# Altium PCB Flow_Pump.PcbDoc (part 3 of 5)
Units mm, origin at the board's own origin, x right, y up, seen from the top; angles counter-clockwise.
Board outline 203 x 203 mm, 2 copper layers (Top Layer, Bottom Layer); 257 components, 182 nets, 857 pads, 2320 vias.
Unrouted connection lines stored in the file: 1.
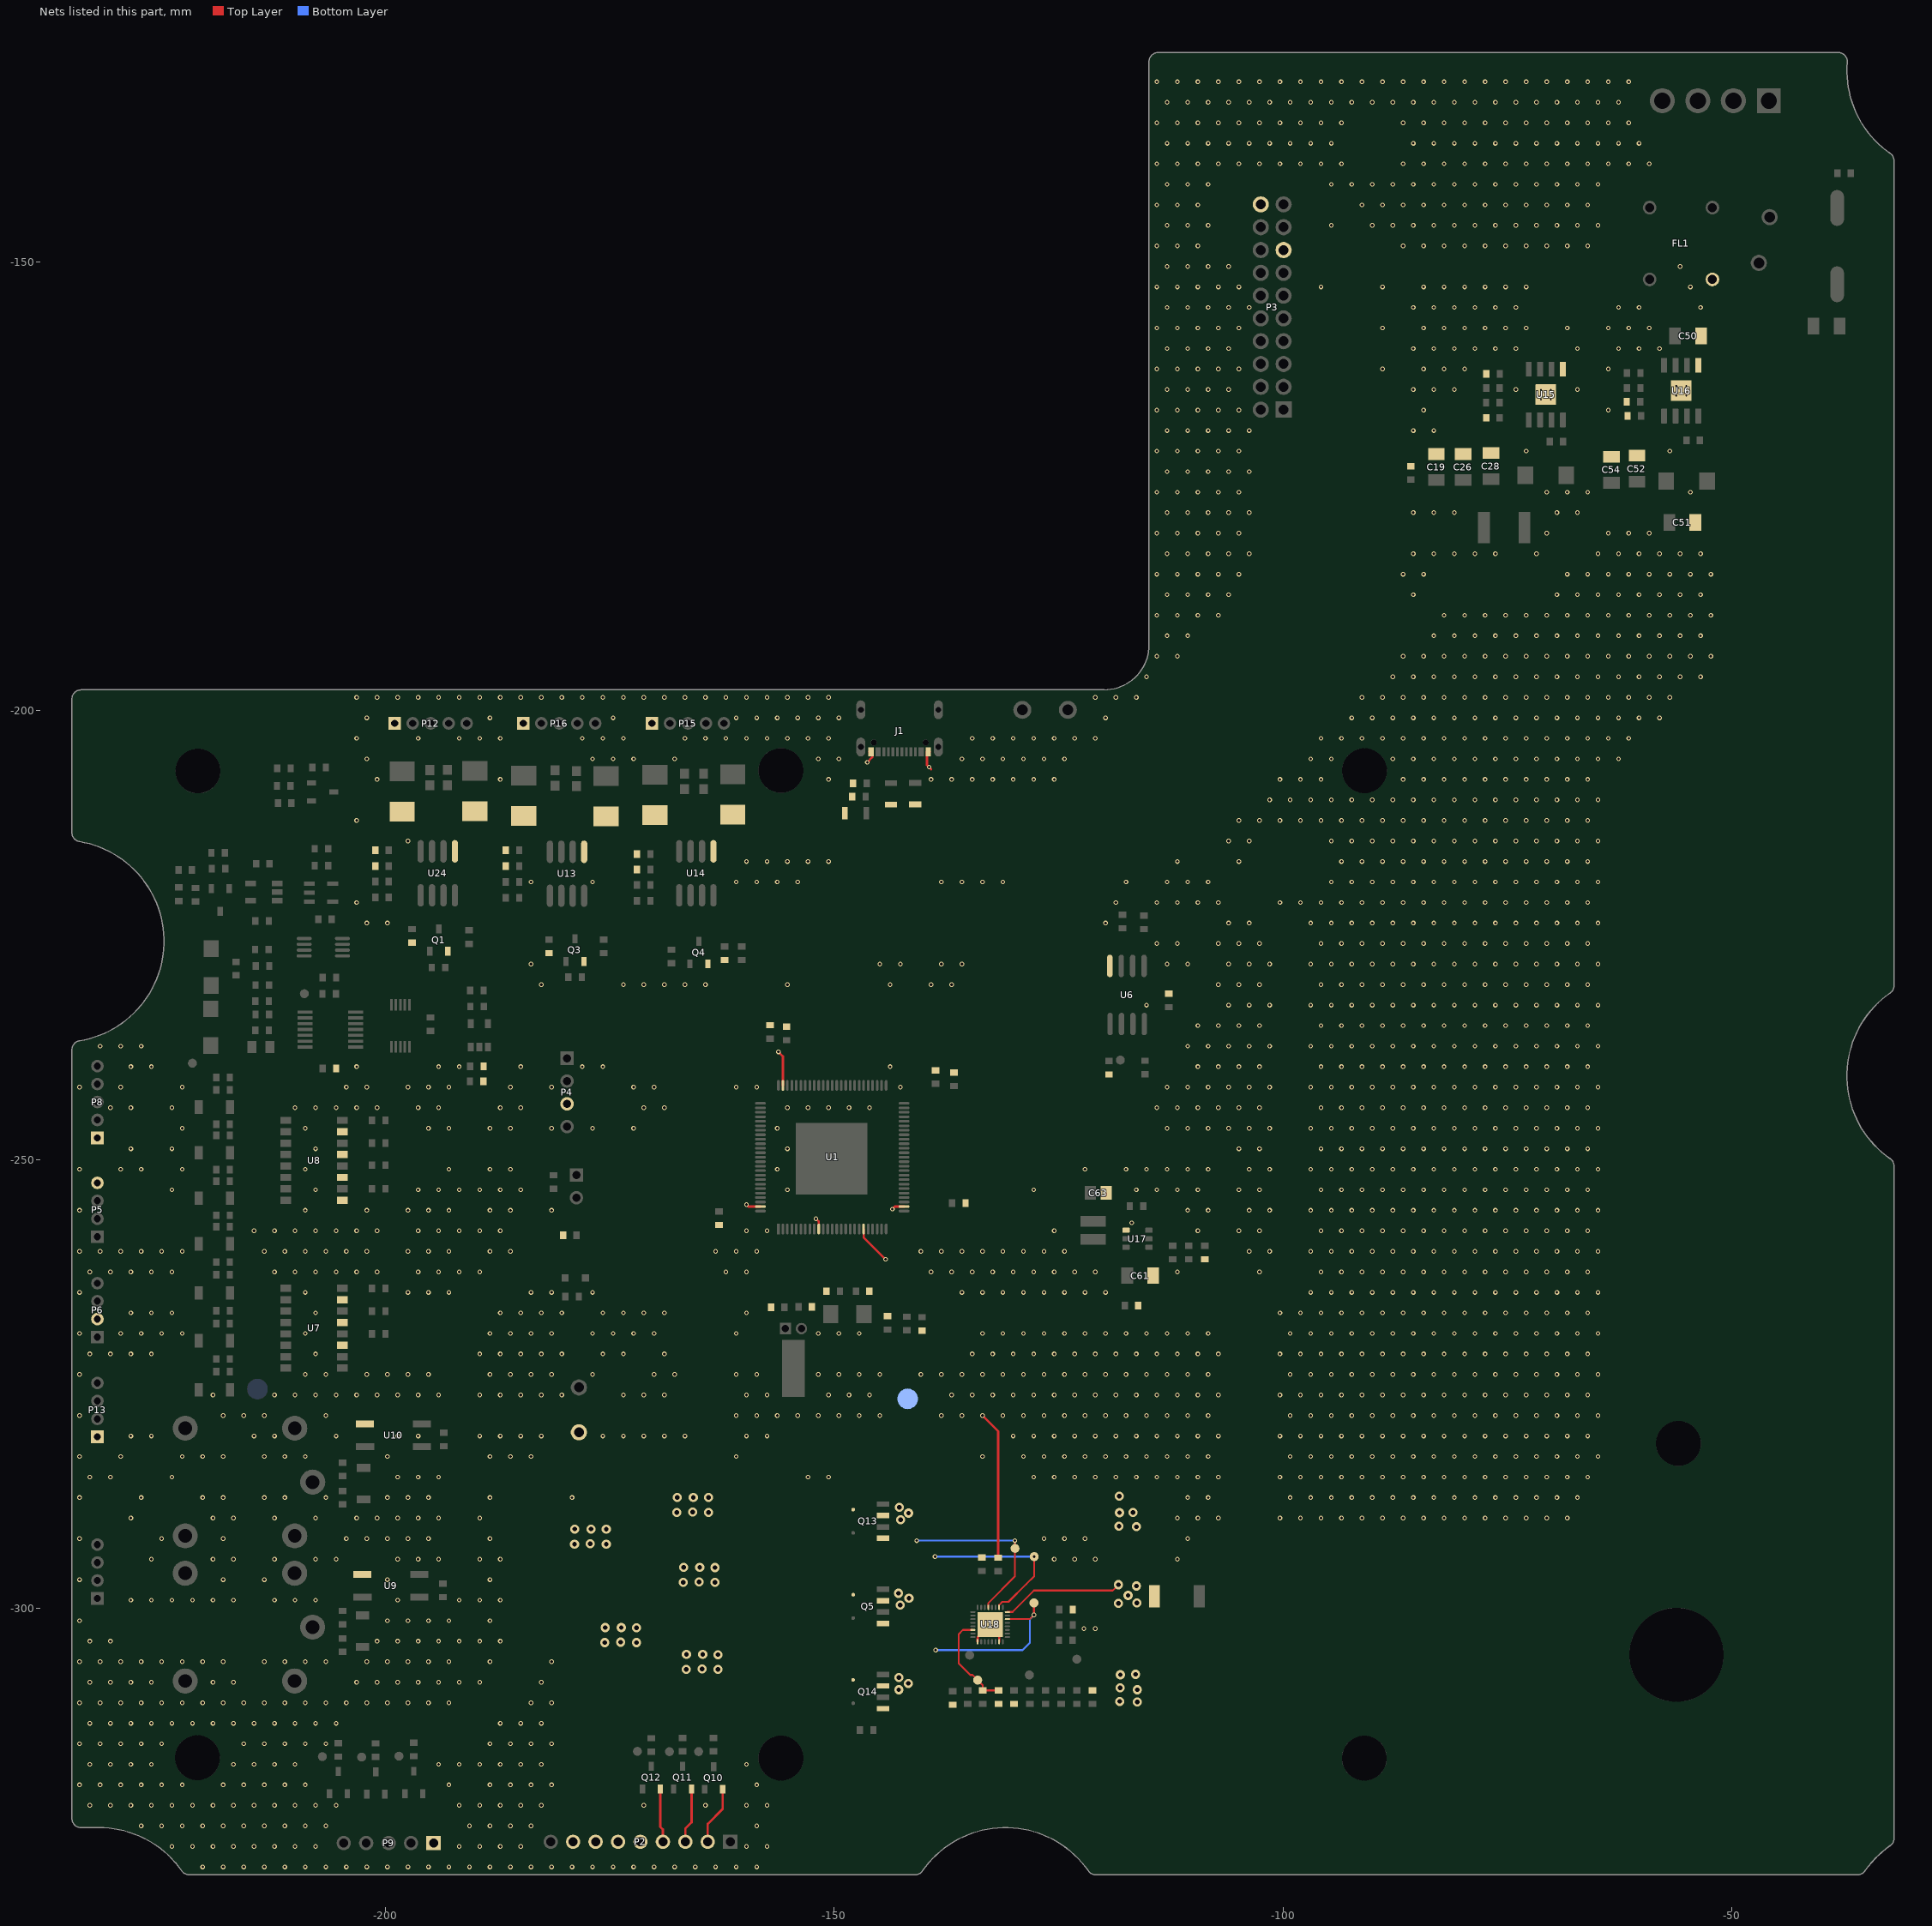
[diagram p3: the nets of this part, all layers, seen from the top]

## Via types
v1: diameter 0.508, hole 0.305, Top Layer to Bottom Layer, tented both sides, 2140 vias
v2: diameter 0.508, hole 0.305, Top Layer to Bottom Layer, 84 vias
v3: diameter 1.016, hole 0.508, Top Layer to Bottom Layer, tented both sides, 73 vias
v4: diameter 1.016, hole 0.762, Top Layer to Bottom Layer, 11 vias
v5: diameter 0.5, hole 0.2, Top Layer to Bottom Layer, 8 vias
v6: diameter 2.032, hole 1.524, Top Layer to Bottom Layer, 3 vias
v7: diameter 1.524, hole 1.016, Top Layer to Bottom Layer, 1 vias

## Nets (pads, with @x,y where several pads share a name; then routed paths per layer and width w, separated by ;. In a path a pad name is that pad's centre, name@x,y a point inside that pad or via, vN(x,y) a via of type N, cw(c..) or ccw(c..) an arc to the next point about the centre after c; other vN are vias at no path point) (continued)
GND: C1.2 C2.2 C3.1 C4.1 C5.2 C6.2 C7.2 C8.1 C9.1 C10.1 C11.1 C14.2 C15.2 C16.2 C17.2 C19.2 C20.1 C21.1 C22.1 C26.2 C28.2 C41.2 C43.2 C47.2 C48.1 C50.2 C51.2 C52.2 C54.2 C56.2 C57.2 C60.2 C61.2 C63.2 C66.2 C67.2 C68.2 C72.2 C73.2 D2.1 D3.1 D4.1 D5.1 D14.1 D18.1 D19.1 D20.1 D21.1 FL1.3 J1.A1 J1.A12 J1.B1 J1.B12 P2.5 P3.15 P3.20 P4.3 P5.4 P6.2 P8.1 P9.1 P12.1 P13.1 P15.1 P16.1 Q1.2 Q3.2 Q4.2 R3.2 R25.1 R49.1 R50.1 R52.1 R54.1 R56.1 R61.2 R62.2 R63.2 R67.2 R68.2 R71.2 R77.1 U1.10 U1.20 U1.27 U1.74 U1.99 U6.4 U7.11 U7.13 U7.15 U8.9 U8.11 U8.13 U8.15 U9.3 U10.3 U13.5 U14.5 U15.1 U15.9 U16.1 U16.9 U17.1 U18.25 U18.31 U18.33 U24.5 U29.1 | length 38.2
  Top Layer w0.254: v1(-159.766,-255.016) -159.548,-255.234 U1.99@-158.21,-255.234 ; v1(-156.21,-237.998) -155.71,-238.498 U1.74@-155.71,-241.734 ; v1(-152.022,-256.599) -151.71,-256.91 U1.10@-151.71,-257.734 ; U1.20@-146.71,-257.734 -146.71,-258.674 v1(-144.272,-261.112) ; v1(-146.304,-205.74) -145.75,-205.186 J1.B1@-145.75,-204.572 J1.A12@-146.05,-204.572 ; v1(-143.51,-255.524) -143.22,-255.234 U1.27@-142.21,-255.234 ; J1.B12@-139.35,-204.572 J1.A1@-139.65,-204.572 -139.65,-206.044 -139.192,-206.502 ; U18.25@-134.013,-303.718 -134.013,-303.374 -133.987,-303.347 -133.987,-303.174 v1(-132.613,-301.801) -131.613,-302.801 U18.31@-131.613,-303.718 ; v1(-133.477,-278.511) -131.724,-280.264 R63.2@-131.724,-294.359
  other v1: -220.345,-328.803 -218.059,-328.803 -215.773,-328.803 -213.487,-328.803 -211.201,-328.803 -208.915,-328.803 -206.629,-328.803 -204.343,-328.803 -202.057,-328.803 -199.771,-328.803 -197.485,-328.803 -195.199,-328.803 -192.913,-328.803 -190.627,-328.803 -188.341,-328.803 -186.055,-328.803 -183.769,-328.803 -181.483,-328.803 -179.197,-328.803 -176.911,-328.803 -174.625,-328.803 -172.339,-328.803 -170.053,-328.803 -167.767,-328.803 -165.481,-328.803 -163.195,-328.803 -160.909,-328.803 -158.623,-328.803 -223.774,-326.517 -221.488,-326.517 -219.202,-326.517 -216.916,-326.517 -214.63,-326.517 -212.344,-326.517 -210.058,-326.517 -207.772,-326.517 -191.77,-326.517 -189.484,-326.517 -187.198,-326.517 -184.912,-326.517 -159.766,-326.517 -157.48,-326.517 -227.203,-324.231 -224.917,-324.231 -222.631,-324.231 -220.345,-324.231 -218.059,-324.231 -215.773,-324.231 -213.487,-324.231 -211.201,-324.231 -208.915,-324.231 -206.629,-324.231 -190.627,-324.231 -188.341,-324.231 -186.055,-324.231 -183.769,-324.231 -158.623,-324.231 -232.918,-321.945 -230.632,-321.945 -228.346,-321.945 -226.06,-321.945 -223.774,-321.945 -221.488,-321.945 -219.202,-321.945 -216.916,-321.945 -214.63,-321.945 -212.344,-321.945 -210.058,-321.945 -207.772,-321.945 -205.486,-321.945 -191.77,-321.945 -189.484,-321.945 -187.198,-321.945 -184.912,-321.945 -182.626,-321.945 -171.196,-321.945 -164.338,-321.945 -159.766,-321.945 -157.48,-321.945 -234.061,-319.659 -231.775,-319.659 -229.489,-319.659 -227.203,-319.659 -224.917,-319.659 -222.631,-319.659 -218.059,-319.659 -215.773,-319.659 -213.487,-319.659 -211.201,-319.659 -208.915,-319.659 -192.913,-319.659 -188.341,-319.659 -186.055,-319.659 -183.769,-319.659 -181.483,-319.659 -158.623,-319.659 -232.918,-317.373 -230.632,-317.373 -228.346,-317.373 -226.06,-317.373 -216.916,-317.373 -214.63,-317.373 -212.344,-317.373 -210.058,-317.373 -194.056,-317.373 -191.77,-317.373 -189.484,-317.373 -187.198,-317.373 -184.912,-317.373 -182.626,-317.373 -159.766,-317.373 -234.061,-315.087 -231.775,-315.087 -229.489,-315.087 -227.203,-315.087 -224.917,-315.087 -215.773,-315.087 -213.487,-315.087 -211.201,-315.087 -208.915,-315.087 -206.629,-315.087 -188.341,-315.087 -186.055,-315.087 -183.769,-315.087 -181.483,-315.087 -232.918,-312.801 -230.632,-312.801 -228.346,-312.801 -226.06,-312.801 -223.774,-312.801 -221.488,-312.801 -219.202,-312.801 -216.916,-312.801 -214.63,-312.801 -212.344,-312.801 -210.058,-312.801 -207.772,-312.801 -205.486,-312.801 -187.198,-312.801 -184.912,-312.801 -182.626,-312.801 -234.061,-310.515 -231.775,-310.515 -229.489,-310.515 -227.203,-310.515 -224.917,-310.515 -222.631,-310.515 -220.345,-310.515 -218.059,-310.515 -215.773,-310.515 -213.487,-310.515 -211.201,-310.515 -208.915,-310.515 -206.629,-310.515 -204.343,-310.515 -202.057,-310.515 -199.771,-310.515 -197.485,-310.515 -195.199,-310.515 -192.913,-310.515 -183.769,-310.515 -181.483,-310.515 -232.918,-308.229 -230.632,-308.229 -228.346,-308.229 -226.06,-308.229 -219.202,-308.229 -216.916,-308.229 -203.2,-308.229 -200.914,-308.229 -198.628,-308.229 -196.342,-308.229 -194.056,-308.229 -191.77,-308.229 -189.484,-308.229 -182.626,-308.229 -234.061,-305.943 -231.775,-305.943 -229.489,-305.943 -227.203,-305.943 -224.917,-305.943 -222.631,-305.943 -220.345,-305.943 -218.059,-305.943 -213.487,-305.943 -211.201,-305.943 -208.915,-305.943 -206.629,-305.943 -202.057,-305.943 -199.771,-305.943 -197.485,-305.943 -195.199,-305.943 -192.913,-305.943 -188.341,-305.943 -181.483,-305.943 -232.918,-303.657 -230.632,-303.657 -200.914,-303.657 -198.628,-303.657 -196.342,-303.657 -194.056,-303.657 -191.77,-303.657 -189.484,-303.657 -187.198,-303.657 -122.174,-302.26 -120.904,-302.26 -234.061,-301.371 -199.771,-301.371 -197.485,-301.371 -195.199,-301.371 -192.913,-301.371 -188.341,-301.371 -228.346,-299.085 -226.06,-299.085 -223.774,-299.085 -221.488,-299.085 -219.202,-299.085 -216.916,-299.085 -212.344,-299.085 -210.058,-299.085 -207.772,-299.085 -198.628,-299.085 -191.77,-299.085 -189.484,-299.085 -187.198,-299.085 -234.061,-296.799 -218.059,-296.799 -213.487,-296.799 -199.771,-296.799 -188.341,-296.799 -226.06,-294.513 -219.202,-294.513 -216.916,-294.513 -212.344,-294.513 -207.772,-294.513 -205.486,-294.513 -198.628,-294.513 -196.342,-294.513 -194.056,-294.513 -189.484,-294.513 -187.198,-294.513 -125.476,-294.513 -123.19,-294.513 -120.904,-294.513 -111.76,-294.513 -234.061,-292.227 -224.917,-292.227 -218.059,-292.227 -204.343,-292.227 -202.057,-292.227 -199.771,-292.227 -197.485,-292.227 -195.199,-292.227 -188.341,-292.227 -126.619,-292.227 -124.333,-292.227 -122.047,-292.227 -110.617,-292.227 -228.346,-289.941 -219.202,-289.941 -216.916,-289.941 -212.344,-289.941 -207.772,-289.941 -203.2,-289.941 -200.914,-289.941 -198.628,-289.941 -196.342,-289.941 -194.056,-289.941 -189.484,-289.941 -111.76,-289.941 -109.474,-289.941 -107.188,-289.941 -100.33,-289.941 -98.044,-289.941 -95.758,-289.941 -93.472,-289.941 -91.186,-289.941 -88.9,-289.941 -86.614,-289.941 -84.328,-289.941 -82.042,-289.941 -79.756,-289.941 -77.47,-289.941 -75.184,-289.941 -72.898,-289.941 -70.612,-289.941 -68.326,-289.941 -234.061,-287.655 -227.203,-287.655 -220.345,-287.655 -218.059,-287.655 -213.487,-287.655 -211.201,-287.655 -206.629,-287.655 -199.771,-287.655 -197.485,-287.655 -195.199,-287.655 -188.341,-287.655 -179.197,-287.655 -110.617,-287.655 -108.331,-287.655 -99.187,-287.655 -96.901,-287.655 -94.615,-287.655 -92.329,-287.655 -90.043,-287.655 -87.757,-287.655 -85.471,-287.655 -83.185,-287.655 -80.899,-287.655 -78.613,-287.655 -76.327,-287.655 -74.041,-287.655 -71.755,-287.655 -69.469,-287.655 -67.183,-287.655 -232.918,-285.369 -230.632,-285.369 -223.774,-285.369 -198.628,-285.369 -196.342,-285.369 -194.056,-285.369 -152.908,-285.369 -150.622,-285.369 -127.762,-285.369 -125.476,-285.369 -123.19,-285.369 -120.904,-285.369 -118.618,-285.369 -116.332,-285.369 -114.046,-285.369 -111.76,-285.369 -109.474,-285.369 -107.188,-285.369 -100.33,-285.369 -98.044,-285.369 -95.758,-285.369 -93.472,-285.369 -91.186,-285.369 -88.9,-285.369 -86.614,-285.369 -84.328,-285.369 -82.042,-285.369 -79.756,-285.369 -77.47,-285.369 -75.184,-285.369 -72.898,-285.369 -70.612,-285.369 -68.326,-285.369 -66.04,-285.369 -234.061,-283.083 -229.489,-283.083 -222.631,-283.083 -220.345,-283.083 -218.059,-283.083 -213.487,-283.083 -211.201,-283.083 -208.915,-283.083 -199.771,-283.083 -188.341,-283.083 -186.055,-283.083 -183.769,-283.083 -160.909,-283.083 -133.477,-283.083 -128.905,-283.083 -126.619,-283.083 -124.333,-283.083 -122.047,-283.083 -119.761,-283.083 -117.475,-283.083 -115.189,-283.083 -112.903,-283.083 -110.617,-283.083 -108.331,-283.083 -99.187,-283.083 -96.901,-283.083 -94.615,-283.083 -92.329,-283.083 -90.043,-283.083 -87.757,-283.083 -85.471,-283.083 -83.185,-283.083 -80.899,-283.083 -78.613,-283.083 -76.327,-283.083 -74.041,-283.083 -71.755,-283.083 -69.469,-283.083 -67.183,-283.083 -64.897,-283.083 -228.346,-280.797 -226.06,-280.797 -214.63,-280.797 -212.344,-280.797 -205.486,-280.797 -198.628,-280.797 -196.342,-280.797 -189.484,-280.797 -187.198,-280.797 -184.912,-280.797 -182.626,-280.797 -175.768,-280.797 -173.482,-280.797 -171.196,-280.797 -168.91,-280.797 -166.624,-280.797 -159.766,-280.797 -157.48,-280.797 -130.048,-280.797 -127.762,-280.797 -125.476,-280.797 -123.19,-280.797 -120.904,-280.797 -118.618,-280.797 -116.332,-280.797 -114.046,-280.797 -111.76,-280.797 -109.474,-280.797 -107.188,-280.797 -100.33,-280.797 -98.044,-280.797 -95.758,-280.797 -93.472,-280.797 -91.186,-280.797 -88.9,-280.797 -86.614,-280.797 -84.328,-280.797 -82.042,-280.797 -79.756,-280.797 -77.47,-280.797 -75.184,-280.797 -72.898,-280.797 -70.612,-280.797 -68.326,-280.797 -66.04,-280.797 -234.061,-278.511 -218.059,-278.511 -215.773,-278.511 -213.487,-278.511 -206.629,-278.511 -160.909,-278.511 -158.623,-278.511 -156.337,-278.511 -154.051,-278.511 -151.765,-278.511 -149.479,-278.511 -147.193,-278.511 -144.907,-278.511 -138.049,-278.511 -135.763,-278.511 -131.191,-278.511 -128.905,-278.511 -126.619,-278.511 -124.333,-278.511 -122.047,-278.511 -119.761,-278.511 -117.475,-278.511 -115.189,-278.511 -112.903,-278.511 -110.617,-278.511 -108.331,-278.511 -99.187,-278.511 -96.901,-278.511 -94.615,-278.511 -92.329,-278.511 -90.043,-278.511 -87.757,-278.511 -85.471,-278.511 -83.185,-278.511 -80.899,-278.511 -78.613,-278.511 -76.327,-278.511 -74.041,-278.511 -71.755,-278.511 -69.469,-278.511 -67.183,-278.511 -64.897,-278.511 -219.202,-276.225 -212.344,-276.225 -210.058,-276.225 -207.772,-276.225 -205.486,-276.225 -203.2,-276.225 -200.914,-276.225 -198.628,-276.225 -196.342,-276.225 -194.056,-276.225 -189.484,-276.225 -187.198,-276.225 -184.912,-276.225 -182.626,-276.225 -180.34,-276.225 -173.482,-276.225 -171.196,-276.225 -168.91,-276.225 -159.766,-276.225 -157.48,-276.225 -150.622,-276.225 -148.336,-276.225 -146.05,-276.225 -136.906,-276.225 -134.62,-276.225 -132.334,-276.225 -130.048,-276.225 -127.762,-276.225 -125.476,-276.225 -123.19,-276.225 -120.904,-276.225 -118.618,-276.225 -116.332,-276.225 -114.046,-276.225 -111.76,-276.225 -109.474,-276.225 -107.188,-276.225 -100.33,-276.225 -98.044,-276.225 -95.758,-276.225 -93.472,-276.225 -91.186,-276.225 -88.9,-276.225 -86.614,-276.225 -84.328,-276.225 -82.042,-276.225 -79.756,-276.225 -77.47,-276.225 -75.184,-276.225 -72.898,-276.225 -70.612,-276.225 -68.326,-276.225 -66.04,-276.225 -234.061,-273.939 -208.915,-273.939 -206.629,-273.939 -202.057,-273.939 -199.771,-273.939 -197.485,-273.939 -195.199,-273.939 -188.341,-273.939 -186.055,-273.939 -183.769,-273.939 -181.483,-273.939 -176.911,-273.939 -170.053,-273.939 -167.767,-273.939 -160.909,-273.939 -158.623,-273.939 -151.765,-273.939 -149.479,-273.939 -147.193,-273.939 -144.907,-273.939 -140.335,-273.939 -138.049,-273.939 -135.763,-273.939 -133.477,-273.939 -131.191,-273.939 -128.905,-273.939 -126.619,-273.939 -124.333,-273.939 -122.047,-273.939 -119.761,-273.939 -117.475,-273.939 -115.189,-273.939 -112.903,-273.939 -110.617,-273.939 -108.331,-273.939 -99.187,-273.939 -96.901,-273.939 -94.615,-273.939 -92.329,-273.939 -90.043,-273.939 -87.757,-273.939 -85.471,-273.939 -83.185,-273.939 -80.899,-273.939 -78.613,-273.939 -76.327,-273.939 -74.041,-273.939 -71.755,-273.939 -69.469,-273.939 -67.183,-273.939 -64.897,-273.939 -232.918,-271.653 -230.632,-271.653 -228.346,-271.653 -226.06,-271.653 -207.772,-271.653 -189.484,-271.653 -187.198,-271.653 -184.912,-271.653 -182.626,-271.653 -180.34,-271.653 -175.768,-271.653 -173.482,-271.653 -168.91,-271.653 -134.62,-271.653 -132.334,-271.653 -130.048,-271.653 -127.762,-271.653 -125.476,-271.653 -123.19,-271.653 -120.904,-271.653 -118.618,-271.653 -116.332,-271.653 -114.046,-271.653 -111.76,-271.653 -109.474,-271.653 -107.188,-271.653 -100.33,-271.653 -98.044,-271.653 -95.758,-271.653 -93.472,-271.653 -91.186,-271.653 -88.9,-271.653 -86.614,-271.653 -84.328,-271.653 -82.042,-271.653 -79.756,-271.653 -77.47,-271.653 -75.184,-271.653 -72.898,-271.653 -70.612,-271.653 -68.326,-271.653 -66.04,-271.653 -234.061,-269.367 -229.489,-269.367 -227.203,-269.367 -224.917,-269.367 -222.631,-269.367 -208.915,-269.367 -188.341,-269.367 -186.055,-269.367 -183.769,-269.367 -181.483,-269.367 -176.911,-269.367 -174.625,-269.367 -172.339,-269.367 -170.053,-269.367 -160.909,-269.367 -151.765,-269.367 -149.479,-269.367 -147.193,-269.367 -133.477,-269.367 -131.191,-269.367 -128.905,-269.367 -126.619,-269.367 -124.333,-269.367 -122.047,-269.367 -119.761,-269.367 -117.475,-269.367 -115.189,-269.367 -112.903,-269.367 -110.617,-269.367 -108.331,-269.367 -99.187,-269.367 -96.901,-269.367 -94.615,-269.367 -92.329,-269.367 -90.043,-269.367 -87.757,-269.367 -85.471,-269.367 -83.185,-269.367 -80.899,-269.367 -78.613,-269.367 -76.327,-269.367 -74.041,-269.367 -71.755,-269.367 -69.469,-269.367 -67.183,-269.367 -64.897,-269.367 -228.346,-267.081 -226.06,-267.081 -223.774,-267.081 -207.772,-267.081 -187.198,-267.081 -184.912,-267.081 -182.626,-267.081 -180.34,-267.081 -175.768,-267.081 -173.482,-267.081 -171.196,-267.081 -168.91,-267.081 -159.766,-267.081 -100.33,-267.081 -98.044,-267.081 -95.758,-267.081 -93.472,-267.081 -91.186,-267.081 -88.9,-267.081 -86.614,-267.081 -84.328,-267.081 -82.042,-267.081 -79.756,-267.081 -77.47,-267.081 -75.184,-267.081 -72.898,-267.081 -70.612,-267.081 -68.326,-267.081 -66.04,-267.081 -234.061,-264.795 -208.915,-264.795 -197.485,-264.795 -195.199,-264.795 -192.913,-264.795 -183.769,-264.795 -181.483,-264.795 -176.911,-264.795 -135.763,-264.795 -133.477,-264.795 -131.191,-264.795 -128.905,-264.795 -126.619,-264.795 -124.333,-264.795 -122.047,-264.795 -119.761,-264.795 -96.901,-264.795 -94.615,-264.795 -92.329,-264.795 -90.043,-264.795 -87.757,-264.795 -85.471,-264.795 -83.185,-264.795 -80.899,-264.795 -78.613,-264.795 -76.327,-264.795 -74.041,-264.795 -71.755,-264.795 -69.469,-264.795 -67.183,-264.795 -64.897,-264.795 -232.918,-262.509 -230.632,-262.509 -228.346,-262.509 -226.06,-262.509 -223.774,-262.509 -212.344,-262.509 -210.058,-262.509 -207.772,-262.509 -205.486,-262.509 -203.2,-262.509 -200.914,-262.509 -196.342,-262.509 -194.056,-262.509 -191.77,-262.509 -189.484,-262.509 -162.052,-262.509 -159.766,-262.509 -139.192,-262.509 -136.906,-262.509 -134.62,-262.509 -132.334,-262.509 -130.048,-262.509 -127.762,-262.509 -125.476,-262.509 -123.19,-262.509 -120.904,-262.509 -111.76,-262.509 -102.616,-262.509 -95.758,-262.509 -93.472,-262.509 -91.186,-262.509 -88.9,-262.509 -86.614,-262.509 -84.328,-262.509 -82.042,-262.509 -79.756,-262.509 -77.47,-262.509 -75.184,-262.509 -72.898,-262.509 -70.612,-262.509 -68.326,-262.509 -66.04,-262.509 -234.061,-260.223 -231.775,-260.223 -229.489,-260.223 -227.203,-260.223 -224.917,-260.223 -222.631,-260.223 -213.487,-260.223 -211.201,-260.223 -208.915,-260.223 -206.629,-260.223 -204.343,-260.223 -202.057,-260.223 -197.485,-260.223 -195.199,-260.223 -192.913,-260.223 -188.341,-260.223 -186.055,-260.223 -163.195,-260.223 -160.909,-260.223 -158.623,-260.223 -140.335,-260.223 -138.049,-260.223 -135.763,-260.223 -133.477,-260.223 -131.191,-260.223 -128.905,-260.223 -126.619,-260.223 -124.333,-260.223 -103.759,-260.223 -101.473,-260.223 -96.901,-260.223 -94.615,-260.223 -92.329,-260.223 -90.043,-260.223 -87.757,-260.223 -85.471,-260.223 -83.185,-260.223 -80.899,-260.223 -78.613,-260.223 -76.327,-260.223 -74.041,-260.223 -71.755,-260.223 -69.469,-260.223 -67.183,-260.223 -64.897,-260.223 -214.63,-257.937 -212.344,-257.937 -210.058,-257.937 -207.772,-257.937 -205.486,-257.937 -203.2,-257.937 -200.914,-257.937 -196.342,-257.937 -194.056,-257.937 -191.77,-257.937 -189.484,-257.937 -187.198,-257.937 -159.766,-257.937 -157.48,-257.937 -125.476,-257.937 -109.474,-257.937 -104.902,-257.937 -102.616,-257.937 -95.758,-257.937 -93.472,-257.937 -91.186,-257.937 -88.9,-257.937 -86.614,-257.937 -84.328,-257.937 -82.042,-257.937 -79.756,-257.937 -77.47,-257.937 -75.184,-257.937 -72.898,-257.937 -70.612,-257.937 -68.326,-257.937 -66.04,-257.937 -116.84,-257.048 -234.061,-255.651 -208.915,-255.651 -202.057,-255.651 -197.485,-255.651 -195.199,-255.651 -192.913,-255.651 -188.341,-255.651 -186.055,-255.651 -181.483,-255.651 -110.617,-255.651 -108.331,-255.651 -103.759,-255.651 -101.473,-255.651 -96.901,-255.651 -94.615,-255.651 -92.329,-255.651 -90.043,-255.651 -87.757,-255.651 -85.471,-255.651 -83.185,-255.651 -80.899,-255.651 -78.613,-255.651 -76.327,-255.651 -74.041,-255.651 -71.755,-255.651 -69.469,-255.651 -67.183,-255.651 -64.897,-255.651 -223.774,-253.365 -207.772,-253.365 -196.342,-253.365 -194.056,-253.365 -191.77,-253.365 -189.484,-253.365 -187.198,-253.365 -184.912,-253.365 -155.194,-253.365 -127.762,-253.365 -116.332,-253.365 -114.046,-253.365 -111.76,-253.365 -109.474,-253.365 -104.902,-253.365 -102.616,-253.365 -95.758,-253.365 -93.472,-253.365 -91.186,-253.365 -88.9,-253.365 -86.614,-253.365 -84.328,-253.365 -82.042,-253.365 -79.756,-253.365 -77.47,-253.365 -75.184,-253.365 -72.898,-253.365 -70.612,-253.365 -68.326,-253.365 -66.04,-253.365 -234.061,-251.079 -229.489,-251.079 -227.203,-251.079 -222.631,-251.079 -208.915,-251.079 -192.913,-251.079 -188.341,-251.079 -186.055,-251.079 -156.337,-251.079 -122.047,-251.079 -117.475,-251.079 -115.189,-251.079 -112.903,-251.079 -110.617,-251.079 -108.331,-251.079 -103.759,-251.079 -101.473,-251.079 -96.901,-251.079 -94.615,-251.079 -92.329,-251.079 -90.043,-251.079 -87.757,-251.079 -85.471,-251.079 -83.185,-251.079 -80.899,-251.079 -78.613,-251.079 -76.327,-251.079 -74.041,-251.079 -71.755,-251.079 -69.469,-251.079 -67.183,-251.079 -64.897,-251.079 -228.346,-248.793 -223.774,-248.793 -207.772,-248.793 -155.194,-248.793 -104.902,-248.793 -102.616,-248.793 -95.758,-248.793 -93.472,-248.793 -91.186,-248.793 -88.9,-248.793 -86.614,-248.793 -84.328,-248.793 -82.042,-248.793 -79.756,-248.793 -77.47,-248.793 -75.184,-248.793 -72.898,-248.793 -70.612,-248.793 -68.326,-248.793 -66.04,-248.793 -222.631,-246.507 -208.915,-246.507 -195.199,-246.507 -192.913,-246.507 -188.341,-246.507 -186.055,-246.507 -181.483,-246.507 -176.911,-246.507 -172.339,-246.507 -156.337,-246.507 -112.903,-246.507 -110.617,-246.507 -108.331,-246.507 -106.045,-246.507 -103.759,-246.507 -101.473,-246.507 -96.901,-246.507 -94.615,-246.507 -92.329,-246.507 -90.043,-246.507 -87.757,-246.507 -85.471,-246.507 -83.185,-246.507 -80.899,-246.507 -78.613,-246.507 -76.327,-246.507 -74.041,-246.507 -71.755,-246.507 -69.469,-246.507 -67.183,-246.507 -64.897,-246.507 -230.632,-244.221 -228.346,-244.221 -223.774,-244.221 -210.058,-244.221 -207.772,-244.221 -205.486,-244.221 -203.2,-244.221 -200.914,-244.221 -196.342,-244.221 -194.056,-244.221 -187.198,-244.221 -184.912,-244.221 -171.196,-244.221 -168.91,-244.221 -155.194,-244.221 -152.908,-244.221 -150.622,-244.221 -148.336,-244.221 -146.05,-244.221 -114.046,-244.221 -111.76,-244.221 -109.474,-244.221 -107.188,-244.221 -104.902,-244.221 -102.616,-244.221 -95.758,-244.221 -93.472,-244.221 -91.186,-244.221 -88.9,-244.221 -86.614,-244.221 -84.328,-244.221 -82.042,-244.221 -79.756,-244.221 -77.47,-244.221 -75.184,-244.221 -72.898,-244.221 -70.612,-244.221 -68.326,-244.221 -66.04,-244.221 -234.061,-241.935 -229.489,-241.935 -222.631,-241.935 -204.343,-241.935 -202.057,-241.935 -197.485,-241.935 -195.199,-241.935 -192.913,-241.935 -186.055,-241.935 -181.483,-241.935 -172.339,-241.935 -170.053,-241.935 -160.909,-241.935 -158.623,-241.935 -142.621,-241.935 -112.903,-241.935 -110.617,-241.935 -108.331,-241.935 -106.045,-241.935 -103.759,-241.935 -101.473,-241.935 -96.901,-241.935 -94.615,-241.935 -92.329,-241.935 -90.043,-241.935 -87.757,-241.935 -85.471,-241.935 -83.185,-241.935 -80.899,-241.935 -78.613,-241.935 -76.327,-241.935 -74.041,-241.935 -71.755,-241.935 -69.469,-241.935 -67.183,-241.935 -64.897,-241.935 -228.346,-239.649 -226.06,-239.649 -203.2,-239.649 -194.056,-239.649 -191.77,-239.649 -184.912,-239.649 -178.054,-239.649 -175.768,-239.649 -143.764,-239.649 -109.474,-239.649 -107.188,-239.649 -104.902,-239.649 -102.616,-239.649 -95.758,-239.649 -93.472,-239.649 -91.186,-239.649 -88.9,-239.649 -86.614,-239.649 -84.328,-239.649 -82.042,-239.649 -79.756,-239.649 -77.47,-239.649 -75.184,-239.649 -72.898,-239.649 -70.612,-239.649 -68.326,-239.649 -66.04,-239.649 -231.775,-237.363 -229.489,-237.363 -227.203,-237.363 -110.617,-237.363 -108.331,-237.363 -106.045,-237.363 -103.759,-237.363 -101.473,-237.363 -96.901,-237.363 -94.615,-237.363 -92.329,-237.363 -90.043,-237.363 -87.757,-237.363 -85.471,-237.363 -83.185,-237.363 -80.899,-237.363 -78.613,-237.363 -76.327,-237.363 -74.041,-237.363 -71.755,-237.363 -69.469,-237.363 -67.183,-237.363 -64.897,-237.363 -109.474,-235.077 -107.188,-235.077 -104.902,-235.077 -102.616,-235.077 -95.758,-235.077 -93.472,-235.077 -91.186,-235.077 -88.9,-235.077 -86.614,-235.077 -84.328,-235.077 -82.042,-235.077 -79.756,-235.077 -77.47,-235.077 -75.184,-235.077 -72.898,-235.077 -70.612,-235.077 -68.326,-235.077 -66.04,-235.077 -115.189,-232.791 -106.045,-232.791 -103.759,-232.791 -101.473,-232.791 -96.901,-232.791 -94.615,-232.791 -92.329,-232.791 -90.043,-232.791 -87.757,-232.791 -85.471,-232.791 -83.185,-232.791 -80.899,-232.791 -78.613,-232.791 -76.327,-232.791 -74.041,-232.791 -71.755,-232.791 -69.469,-232.791 -67.183,-232.791 -64.897,-232.791 -182.626,-230.505 -173.482,-230.505 -171.196,-230.505 -168.91,-230.505 -166.624,-230.505 -164.338,-230.505 -155.194,-230.505 -143.764,-230.505 -139.192,-230.505 -136.906,-230.505 -107.188,-230.505 -104.902,-230.505 -102.616,-230.505 -95.758,-230.505 -93.472,-230.505 -91.186,-230.505 -88.9,-230.505 -86.614,-230.505 -84.328,-230.505 -82.042,-230.505 -79.756,-230.505 -77.47,-230.505 -75.184,-230.505 -72.898,-230.505 -70.612,-230.505 -68.326,-230.505 -66.04,-230.505 -183.769,-228.219 -144.907,-228.219 -142.621,-228.219 -138.049,-228.219 -135.763,-228.219 -112.903,-228.219 -110.617,-228.219 -106.045,-228.219 -103.759,-228.219 -101.473,-228.219 -96.901,-228.219 -94.615,-228.219 -92.329,-228.219 -90.043,-228.219 -87.757,-228.219 -85.471,-228.219 -83.185,-228.219 -80.899,-228.219 -78.613,-228.219 -76.327,-228.219 -74.041,-228.219 -71.755,-228.219 -69.469,-228.219 -67.183,-228.219 -64.897,-228.219 -114.046,-225.933 -111.76,-225.933 -107.188,-225.933 -104.902,-225.933 -102.616,-225.933 -95.758,-225.933 -93.472,-225.933 -91.186,-225.933 -88.9,-225.933 -86.614,-225.933 -84.328,-225.933 -82.042,-225.933 -79.756,-225.933 -77.47,-225.933 -75.184,-225.933 -72.898,-225.933 -70.612,-225.933 -68.326,-225.933 -66.04,-225.933 -202.057,-223.647 -199.771,-223.647 -119.761,-223.647 -106.045,-223.647 -103.759,-223.647 -96.901,-223.647 -94.615,-223.647 -92.329,-223.647 -90.043,-223.647 -87.757,-223.647 -85.471,-223.647 -83.185,-223.647 -80.899,-223.647 -78.613,-223.647 -76.327,-223.647 -74.041,-223.647 -71.755,-223.647 -69.469,-223.647 -67.183,-223.647 -64.897,-223.647 -203.2,-221.361 -118.618,-221.361 -114.046,-221.361 -111.76,-221.361 -109.474,-221.361 -107.188,-221.361 -100.33,-221.361 -98.044,-221.361 -95.758,-221.361 -93.472,-221.361 -91.186,-221.361 -88.9,-221.361 -86.614,-221.361 -84.328,-221.361 -82.042,-221.361 -79.756,-221.361 -77.47,-221.361 -75.184,-221.361 -72.898,-221.361 -70.612,-221.361 -68.326,-221.361 -66.04,-221.361 -183.769,-219.075 -176.911,-219.075 -160.909,-219.075 -158.623,-219.075 -156.337,-219.075 -154.051,-219.075 -138.049,-219.075 -135.763,-219.075 -133.477,-219.075 -131.191,-219.075 -117.475,-219.075 -112.903,-219.075 -110.617,-219.075 -108.331,-219.075 -94.615,-219.075 -92.329,-219.075 -90.043,-219.075 -87.757,-219.075 -85.471,-219.075 -83.185,-219.075 -80.899,-219.075 -78.613,-219.075 -76.327,-219.075 -74.041,-219.075 -71.755,-219.075 -69.469,-219.075 -67.183,-219.075 -64.897,-219.075 -159.766,-216.789 -157.48,-216.789 -155.194,-216.789 -152.908,-216.789 -150.622,-216.789 -111.76,-216.789 -104.902,-216.789 -93.472,-216.789 -91.186,-216.789 -88.9,-216.789 -86.614,-216.789 -84.328,-216.789 -82.042,-216.789 -79.756,-216.789 -77.47,-216.789 -75.184,-216.789 -72.898,-216.789 -70.612,-216.789 -68.326,-216.789 -66.04,-216.789 -197.485,-214.503 -106.045,-214.503 -103.759,-214.503 -94.615,-214.503 -92.329,-214.503 -90.043,-214.503 -87.757,-214.503 -85.471,-214.503 -83.185,-214.503 -80.899,-214.503 -78.613,-214.503 -76.327,-214.503 -74.041,-214.503 -71.755,-214.503 -69.469,-214.503 -67.183,-214.503 -64.897,-214.503 -203.2,-212.217 -104.902,-212.217 -102.616,-212.217 -100.33,-212.217 -98.044,-212.217 -95.758,-212.217 -93.472,-212.217 -91.186,-212.217 -88.9,-212.217 -86.614,-212.217 -84.328,-212.217 -82.042,-212.217 -79.756,-212.217 -77.47,-212.217 -75.184,-212.217 -72.898,-212.217 -70.612,-212.217 -68.326,-212.217 -66.04,-212.217 -101.473,-209.931 -99.187,-209.931 -96.901,-209.931 -94.615,-209.931 -92.329,-209.931 -90.043,-209.931 -87.757,-209.931 -85.471,-209.931 -83.185,-209.931 -80.899,-209.931 -78.613,-209.931 -76.327,-209.931 -74.041,-209.931 -71.755,-209.931 -69.469,-209.931 -67.183,-209.931 -64.897,-209.931 -200.914,-207.645 -187.198,-207.645 -150.622,-207.645 -139.192,-207.645 -136.906,-207.645 -134.62,-207.645 -132.334,-207.645 -130.048,-207.645 -127.762,-207.645 -125.476,-207.645 -100.33,-207.645 -98.044,-207.645 -95.758,-207.645 -86.614,-207.645 -84.328,-207.645 -82.042,-207.645 -79.756,-207.645 -77.47,-207.645 -75.184,-207.645 -72.898,-207.645 -70.612,-207.645 -68.326,-207.645 -66.04,-207.645 -139.421,-206.273 -202.057,-205.359 -176.911,-205.359 -174.625,-205.359 -172.339,-205.359 -167.767,-205.359 -151.765,-205.359 -149.479,-205.359 -135.763,-205.359 -133.477,-205.359 -131.191,-205.359 -128.905,-205.359 -126.619,-205.359 -124.333,-205.359 -96.901,-205.359 -94.615,-205.359 -87.757,-205.359 -85.471,-205.359 -83.185,-205.359 -80.899,-205.359 -78.613,-205.359 -76.327,-205.359 -74.041,-205.359 -71.755,-205.359 -69.469,-205.359 -67.183,-205.359 -64.897,-205.359 -62.611,-205.359 -203.2,-203.073 -196.342,-203.073 -191.77,-203.073 -189.484,-203.073 -187.198,-203.073 -178.054,-203.073 -175.768,-203.073 -173.482,-203.073 -166.624,-203.073 -164.338,-203.073 -162.052,-203.073 -159.766,-203.073 -157.48,-203.073 -155.194,-203.073 -152.908,-203.073 -150.622,-203.073 -134.62,-203.073 -132.334,-203.073 -130.048,-203.073 -127.762,-203.073 -125.476,-203.073 -123.19,-203.073 -120.904,-203.073 -95.758,-203.073 -93.472,-203.073 -91.186,-203.073 -88.9,-203.073 -86.614,-203.073 -84.328,-203.073 -82.042,-203.073 -79.756,-203.073 -77.47,-203.073 -75.184,-203.073 -72.898,-203.073 -70.612,-203.073 -68.326,-203.073 -66.04,-203.073 -63.754,-203.073 -61.468,-203.073 -202.057,-200.787 -188.341,-200.787 -174.625,-200.787 -160.909,-200.787 -158.623,-200.787 -156.337,-200.787 -154.051,-200.787 -151.765,-200.787 -149.479,-200.787 -119.761,-200.787 -92.329,-200.787 -90.043,-200.787 -87.757,-200.787 -85.471,-200.787 -83.185,-200.787 -80.899,-200.787 -78.613,-200.787 -76.327,-200.787 -74.041,-200.787 -71.755,-200.787 -69.469,-200.787 -67.183,-200.787 -64.897,-200.787 -62.611,-200.787 -60.325,-200.787 -58.039,-200.787 -203.2,-198.501 -200.914,-198.501 -198.628,-198.501 -196.342,-198.501 -194.056,-198.501 -191.77,-198.501 -189.484,-198.501 -187.198,-198.501 -184.912,-198.501 -182.626,-198.501 -180.34,-198.501 -178.054,-198.501 -175.768,-198.501 -173.482,-198.501 -171.196,-198.501 -168.91,-198.501 -166.624,-198.501 -164.338,-198.501 -162.052,-198.501 -159.766,-198.501 -157.48,-198.501 -155.194,-198.501 -152.908,-198.501 -150.622,-198.501 -120.904,-198.501 -118.618,-198.501 -116.332,-198.501 -91.186,-198.501 -88.9,-198.501 -86.614,-198.501 -84.328,-198.501 -82.042,-198.501 -79.756,-198.501 -77.47,-198.501 -75.184,-198.501 -72.898,-198.501 -70.612,-198.501 -68.326,-198.501 -66.04,-198.501 -63.754,-198.501 -61.468,-198.501 -59.182,-198.501 -56.896,-198.501 -115.189,-196.215 -87.757,-196.215 -85.471,-196.215 -83.185,-196.215 -80.899,-196.215 -78.613,-196.215 -76.327,-196.215 -74.041,-196.215 -71.755,-196.215 -69.469,-196.215 -67.183,-196.215 -64.897,-196.215 -62.611,-196.215 -60.325,-196.215 -58.039,-196.215 -55.753,-196.215 -53.467,-196.215 -114.046,-193.929 -111.76,-193.929 -86.614,-193.929 -84.328,-193.929 -82.042,-193.929 -79.756,-193.929 -77.47,-193.929 -75.184,-193.929 -72.898,-193.929 -70.612,-193.929 -68.326,-193.929 -66.04,-193.929 -63.754,-193.929 -61.468,-193.929 -59.182,-193.929 -56.896,-193.929 -54.61,-193.929 -52.324,-193.929 -112.903,-191.643 -110.617,-191.643 -83.185,-191.643 -80.899,-191.643 -78.613,-191.643 -76.327,-191.643 -74.041,-191.643 -71.755,-191.643 -69.469,-191.643 -67.183,-191.643 -64.897,-191.643 -62.611,-191.643 -60.325,-191.643 -58.039,-191.643 -55.753,-191.643 -53.467,-191.643 -114.046,-189.357 -111.76,-189.357 -109.474,-189.357 -107.188,-189.357 -82.042,-189.357 -79.756,-189.357 -77.47,-189.357 -75.184,-189.357 -72.898,-189.357 -70.612,-189.357 -68.326,-189.357 -66.04,-189.357 -63.754,-189.357 -61.468,-189.357 -59.182,-189.357 -56.896,-189.357 -54.61,-189.357 -52.324,-189.357 -112.903,-187.071 -110.617,-187.071 -108.331,-187.071 -106.045,-187.071 -85.471,-187.071 -69.469,-187.071 -67.183,-187.071 -64.897,-187.071 -62.611,-187.071 -60.325,-187.071 -58.039,-187.071 -55.753,-187.071 -53.467,-187.071 -114.046,-184.785 -111.76,-184.785 -109.474,-184.785 -107.188,-184.785 -104.902,-184.785 -86.614,-184.785 -84.328,-184.785 -68.326,-184.785 -66.04,-184.785 -63.754,-184.785 -61.468,-184.785 -59.182,-184.785 -56.896,-184.785 -54.61,-184.785 -52.324,-184.785 -112.903,-182.499 -110.617,-182.499 -108.331,-182.499 -106.045,-182.499 -103.759,-182.499 -85.471,-182.499 -83.185,-182.499 -80.899,-182.499 -78.613,-182.499 -76.327,-182.499 -71.755,-182.499 -64.897,-182.499 -62.611,-182.499 -60.325,-182.499 -58.039,-182.499 -55.753,-182.499 -53.467,-182.499 -114.046,-180.213 -111.76,-180.213 -109.474,-180.213 -107.188,-180.213 -104.902,-180.213 -70.612,-180.213 -63.754,-180.213 -61.468,-180.213 -59.182,-180.213 -112.903,-177.927 -110.617,-177.927 -108.331,-177.927 -106.045,-177.927 -103.759,-177.927 -85.471,-177.927 -83.185,-177.927 -80.899,-177.927 -69.469,-177.927 -67.183,-177.927 -114.046,-175.641 -111.76,-175.641 -109.474,-175.641 -107.188,-175.641 -104.902,-175.641 -70.612,-175.641 -68.326,-175.641 -66.04,-175.641 -54.61,-175.641 -112.903,-173.355 -110.617,-173.355 -108.331,-173.355 -106.045,-173.355 -103.759,-173.355 -114.046,-171.069 -111.76,-171.069 -109.474,-171.069 -107.188,-171.069 -104.902,-171.069 -72.898,-171.069 -56.896,-171.069 -112.903,-168.783 -110.617,-168.783 -108.331,-168.783 -106.045,-168.783 -103.759,-168.783 -85.471,-168.783 -83.185,-168.783 -114.046,-166.497 -111.76,-166.497 -109.474,-166.497 -107.188,-166.497 -104.902,-166.497 -84.328,-166.497 -63.754,-166.497 -112.903,-164.211 -110.617,-164.211 -108.331,-164.211 -106.045,-164.211 -85.471,-164.211 -83.185,-164.211 -80.899,-164.211 -74.041,-164.211 -67.183,-164.211 -114.046,-161.925 -111.76,-161.925 -109.474,-161.925 -107.188,-161.925 -104.902,-161.925 -88.9,-161.925 -84.328,-161.925 -82.042,-161.925 -79.756,-161.925 -63.754,-161.925 -112.903,-159.639 -110.617,-159.639 -108.331,-159.639 -106.045,-159.639 -85.471,-159.639 -83.185,-159.639 -80.899,-159.639 -78.613,-159.639 -76.327,-159.639 -74.041,-159.639 -67.183,-159.639 -62.611,-159.639 -60.325,-159.639 -58.039,-159.639 -114.046,-157.353 -111.76,-157.353 -109.474,-157.353 -107.188,-157.353 -104.902,-157.353 -88.9,-157.353 -84.328,-157.353 -82.042,-157.353 -79.756,-157.353 -77.47,-157.353 -75.184,-157.353 -72.898,-157.353 -68.326,-157.353 -63.754,-157.353 -61.468,-157.353 -59.182,-157.353 -112.903,-155.067 -110.617,-155.067 -108.331,-155.067 -106.045,-155.067 -103.759,-155.067 -85.471,-155.067 -83.185,-155.067 -80.899,-155.067 -78.613,-155.067 -76.327,-155.067 -74.041,-155.067 -62.611,-155.067 -60.325,-155.067 -53.467,-155.067 -114.046,-152.781 -111.76,-152.781 -109.474,-152.781 -107.188,-152.781 -104.902,-152.781 -95.758,-152.781 -88.9,-152.781 -84.328,-152.781 -82.042,-152.781 -79.756,-152.781 -77.47,-152.781 -75.184,-152.781 -72.898,-152.781 -54.61,-152.781 -112.903,-150.495 -110.617,-150.495 -108.331,-150.495 -106.045,-150.495 -55.753,-150.495 -114.046,-148.209 -111.76,-148.209 -109.474,-148.209 -86.614,-148.209 -84.328,-148.209 -82.042,-148.209 -79.756,-148.209 -77.47,-148.209 -75.184,-148.209 -72.898,-148.209 -70.612,-148.209 -68.326,-148.209 -66.04,-148.209 -112.903,-145.923 -110.617,-145.923 -108.331,-145.923 -94.615,-145.923 -90.043,-145.923 -87.757,-145.923 -85.471,-145.923 -83.185,-145.923 -80.899,-145.923 -78.613,-145.923 -76.327,-145.923 -74.041,-145.923 -71.755,-145.923 -69.469,-145.923 -67.183,-145.923 -64.897,-145.923 -114.046,-143.637 -111.76,-143.637 -109.474,-143.637 -91.186,-143.637 -88.9,-143.637 -86.614,-143.637 -84.328,-143.637 -82.042,-143.637 -79.756,-143.637 -77.47,-143.637 -75.184,-143.637 -72.898,-143.637 -70.612,-143.637 -68.326,-143.637 -66.04,-143.637 -112.903,-141.351 -110.617,-141.351 -108.331,-141.351 -94.615,-141.351 -92.329,-141.351 -90.043,-141.351 -87.757,-141.351 -85.471,-141.351 -83.185,-141.351 -80.899,-141.351 -78.613,-141.351 -76.327,-141.351 -74.041,-141.351 -71.755,-141.351 -69.469,-141.351 -67.183,-141.351 -64.897,-141.351 -114.046,-139.065 -111.76,-139.065 -109.474,-139.065 -107.188,-139.065 -104.902,-139.065 -102.616,-139.065 -100.33,-139.065 -98.044,-139.065 -95.758,-139.065 -93.472,-139.065 -86.614,-139.065 -84.328,-139.065 -82.042,-139.065 -79.756,-139.065 -77.47,-139.065 -75.184,-139.065 -72.898,-139.065 -70.612,-139.065 -68.326,-139.065 -66.04,-139.065 -63.754,-139.065 -61.468,-139.065 -59.182,-139.065 -112.903,-136.779 -110.617,-136.779 -108.331,-136.779 -106.045,-136.779 -103.759,-136.779 -101.473,-136.779 -99.187,-136.779 -96.901,-136.779 -94.615,-136.779 -85.471,-136.779 -83.185,-136.779 -80.899,-136.779 -78.613,-136.779 -76.327,-136.779 -74.041,-136.779 -71.755,-136.779 -69.469,-136.779 -67.183,-136.779 -64.897,-136.779 -62.611,-136.779 -60.325,-136.779 -114.046,-134.493 -111.76,-134.493 -109.474,-134.493 -107.188,-134.493 -104.902,-134.493 -102.616,-134.493 -100.33,-134.493 -98.044,-134.493 -95.758,-134.493 -93.472,-134.493 -86.614,-134.493 -84.328,-134.493 -82.042,-134.493 -79.756,-134.493 -77.47,-134.493 -75.184,-134.493 -72.898,-134.493 -70.612,-134.493 -68.326,-134.493 -66.04,-134.493 -63.754,-134.493 -61.468,-134.493 -112.903,-132.207 -110.617,-132.207 -108.331,-132.207 -106.045,-132.207 -103.759,-132.207 -101.473,-132.207 -99.187,-132.207 -96.901,-132.207 -94.615,-132.207 -92.329,-132.207 -90.043,-132.207 -87.757,-132.207 -85.471,-132.207 -83.185,-132.207 -80.899,-132.207 -78.613,-132.207 -76.327,-132.207 -74.041,-132.207 -71.755,-132.207 -69.469,-132.207 -67.183,-132.207 -64.897,-132.207 -62.611,-132.207 -114.046,-129.921 -111.76,-129.921 -109.474,-129.921 -107.188,-129.921 -104.902,-129.921 -102.616,-129.921 -100.33,-129.921 -98.044,-129.921 -95.758,-129.921 -93.472,-129.921 -91.186,-129.921 -88.9,-129.921 -86.614,-129.921 -84.328,-129.921 -82.042,-129.921 -79.756,-129.921 -77.47,-129.921 -75.184,-129.921 -72.898,-129.921 -70.612,-129.921 -68.326,-129.921 -66.04,-129.921 -63.754,-129.921 -61.468,-129.921
  other v5: -71.264,-165.32 -70.164,-165.32 -56.176,-164.888 -55.076,-164.888 -71.264,-164.22 -70.164,-164.22 -56.176,-163.788 -55.076,-163.788
GSA: P2.6 Q14.1 Q14.5 T10.1 U18.6 | length 18.6
  Top Layer w0.203: U18.6@-130.696,-301.201 -128.201,-301.201 v1(-127.737,-300.736) T10.1@-127.737,-299.39
  Bottom Layer w0.203: v1(-138.684,-304.648) -129.007,-304.648 -128.194,-303.835 -128.194,-301.193 v1@-127.749,-300.749 ; v1@-127.737,-300.761 v1(-127.737,-300.736)
  other v3: -166.472,-306.807 -162.941,-306.807 -164.719,-306.756 -162.941,-305.156 -166.446,-305.13 -164.643,-305.13
GSB: P2.7 Q5.1 Q5.5 T11.1 U18.10 | length 18.7
  Top Layer w0.203: U18.10@-131.613,-299.883 -131.613,-299.629 -131.257,-299.273 -130.574,-299.273 -128.605,-297.304 -128.597,-297.304 -127.711,-296.418 v1(-127.711,-294.234)
  Bottom Layer w0.203: v1(-138.76,-294.234) v1(-127.711,-294.234)
  other v3: -175.539,-303.809 -172.009,-303.809 -173.787,-303.759 -172.009,-302.158 -175.514,-302.133 -173.711,-302.133 -166.802,-297.104 -163.271,-297.104 -165.049,-297.053 -163.271,-295.453 -166.776,-295.427 -164.973,-295.427
GSC: P2.8 Q13.1 Q13.5 T12.1 U18.13 | length 19.6
  Top Layer w0.203: U18.13@-132.813,-299.883 -132.813,-299.402 -129.87,-296.459 v1(-129.87,-292.456)
  Bottom Layer w0.203: v1(-140.792,-292.456) v1(-129.87,-292.456)
  other v3: -178.918,-292.837 -175.387,-292.837 -177.165,-292.786 -175.387,-291.186 -178.892,-291.16 -177.089,-291.16 -167.513,-289.306 -163.982,-289.306 -165.76,-289.255 -163.982,-287.655 -167.488,-287.63 -165.684,-287.63
HU: P2.2 Q10.2 | length 6.5
  Top Layer w0.254: P2.2@-164.076,-326.009 -164.076,-323.995 -162.414,-322.333 Q10.2@-162.414,-320.147
HV: P2.3 Q11.2 | length 6.2
  Top Layer w0.254: P2.3@-166.577,-326.009 -166.577,-324.539 -165.878,-323.841 Q11.2@-165.878,-320.107
HW: P2.4 Q12.2 | length 6
  Top Layer w0.254: Q12.2@-169.36,-320.107 -169.36,-324.339 -169.077,-324.623 P2.4@-169.077,-326.009
IDRIVE: R65.2 R67.1 T5.1 U18.22 | length 11.1
  Top Layer w0.203: U18.22@-134.531,-302.401 -135.65,-302.401 -136.119,-302.87 -136.119,-306.121 -134.823,-307.416 -134.58,-307.416 -133.437,-308.559 R65.2@-133.437,-309.142 R67.1@-131.691,-309.142
ISEN: Q5.3 Q13.3 Q14.3 R64.2 U18.8 | length 13.6
  Top Layer w0.203: U18.8@-130.696,-300.401 -130.13,-300.401 -127.737,-298.008 -118.963,-298.008 v3(-118.313,-297.358)
  other v3: -116.23,-310.413 -118.186,-310.363 -142.799,-309.067 -116.23,-309.067 -118.135,-308.839 -141.732,-308.356 -142.773,-307.696 -118.11,-307.391 -116.426,-307.344 -142.646,-299.618 -118.313,-299.441 -116.281,-299.39 -141.656,-298.856 -117.246,-298.552 -142.824,-298.323 -116.332,-297.51 -116.307,-290.906 -118.262,-290.855 -142.596,-290.119 -141.707,-289.382 -118.212,-289.331 -116.713,-289.306 -142.723,-288.747 -118.237,-287.503